# Altium PCB BACKPLANE_BOARD_LOW_POWER_V1.0.PcbDoc
Units mm, origin at the board's own origin, x right, y up, seen from the top; angles counter-clockwise.
Board outline 201.7 x 130 mm, 2 copper layers (Top Layer, Bottom Layer), stack 1.571 mm thick; 21 components, 110 nets, 590 pads, 2 vias.
Unrouted connection lines stored in the file: 1.
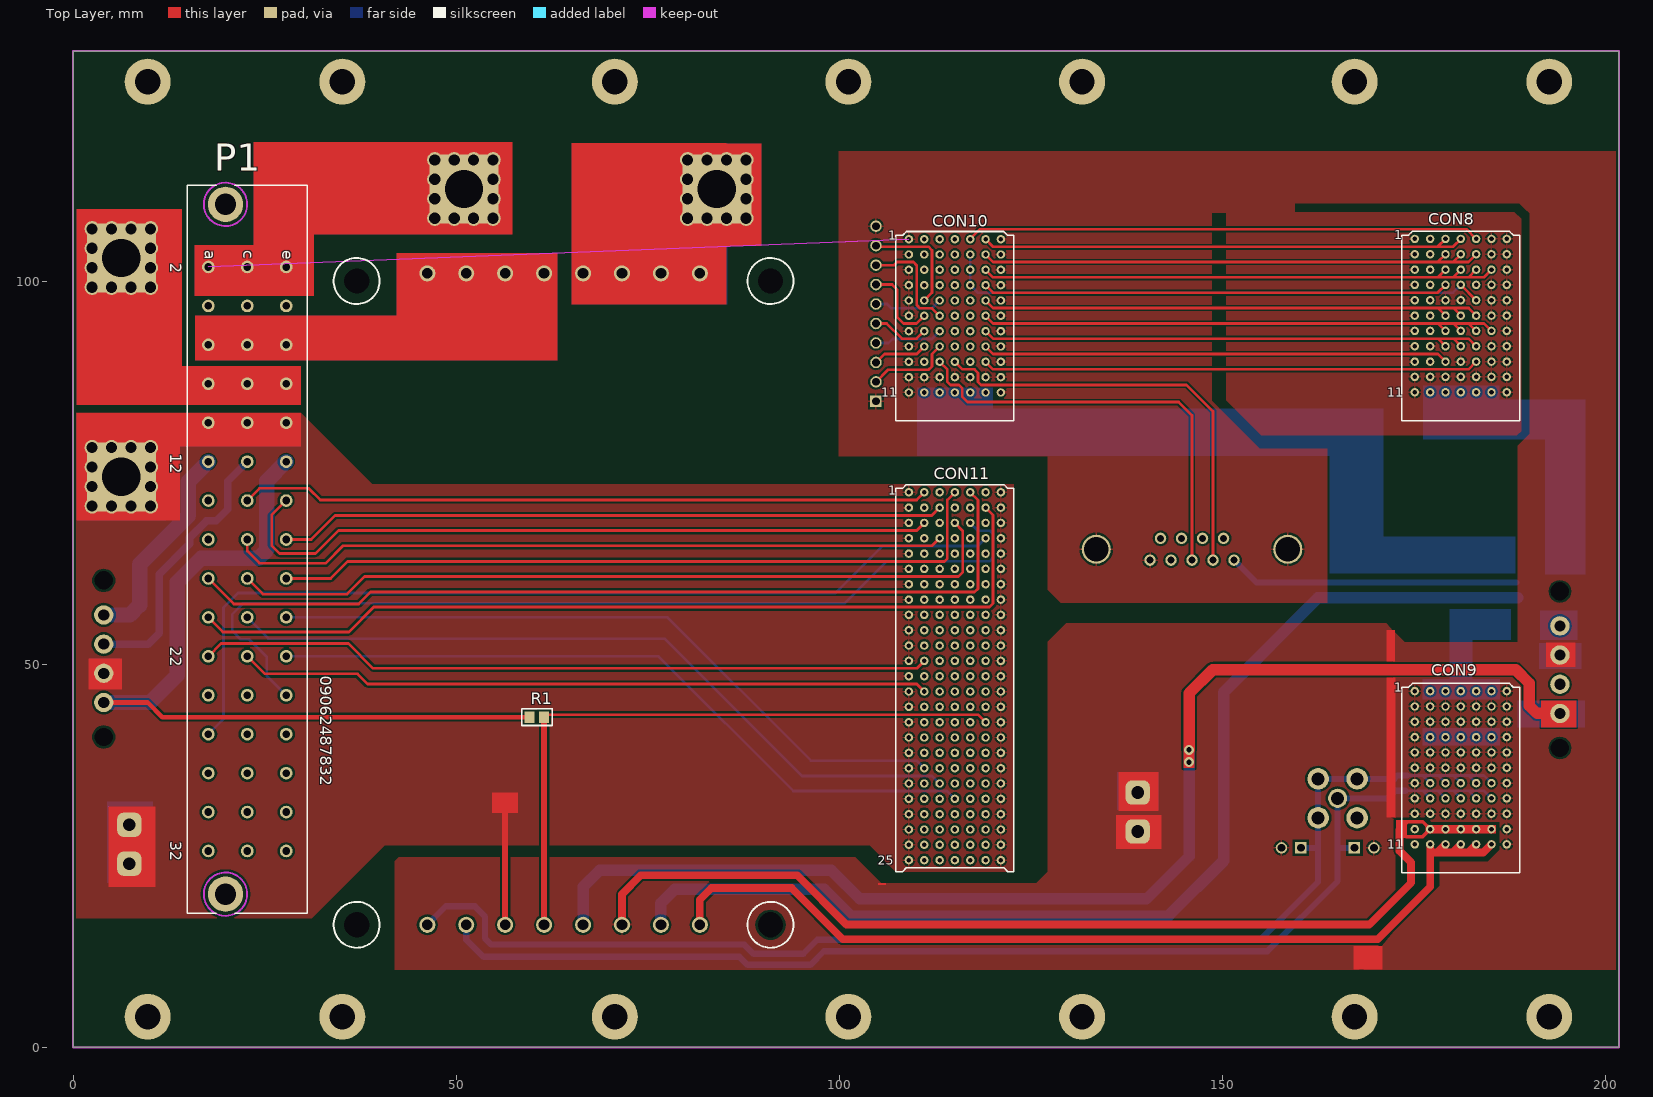
[diagram p0: Top Layer view]
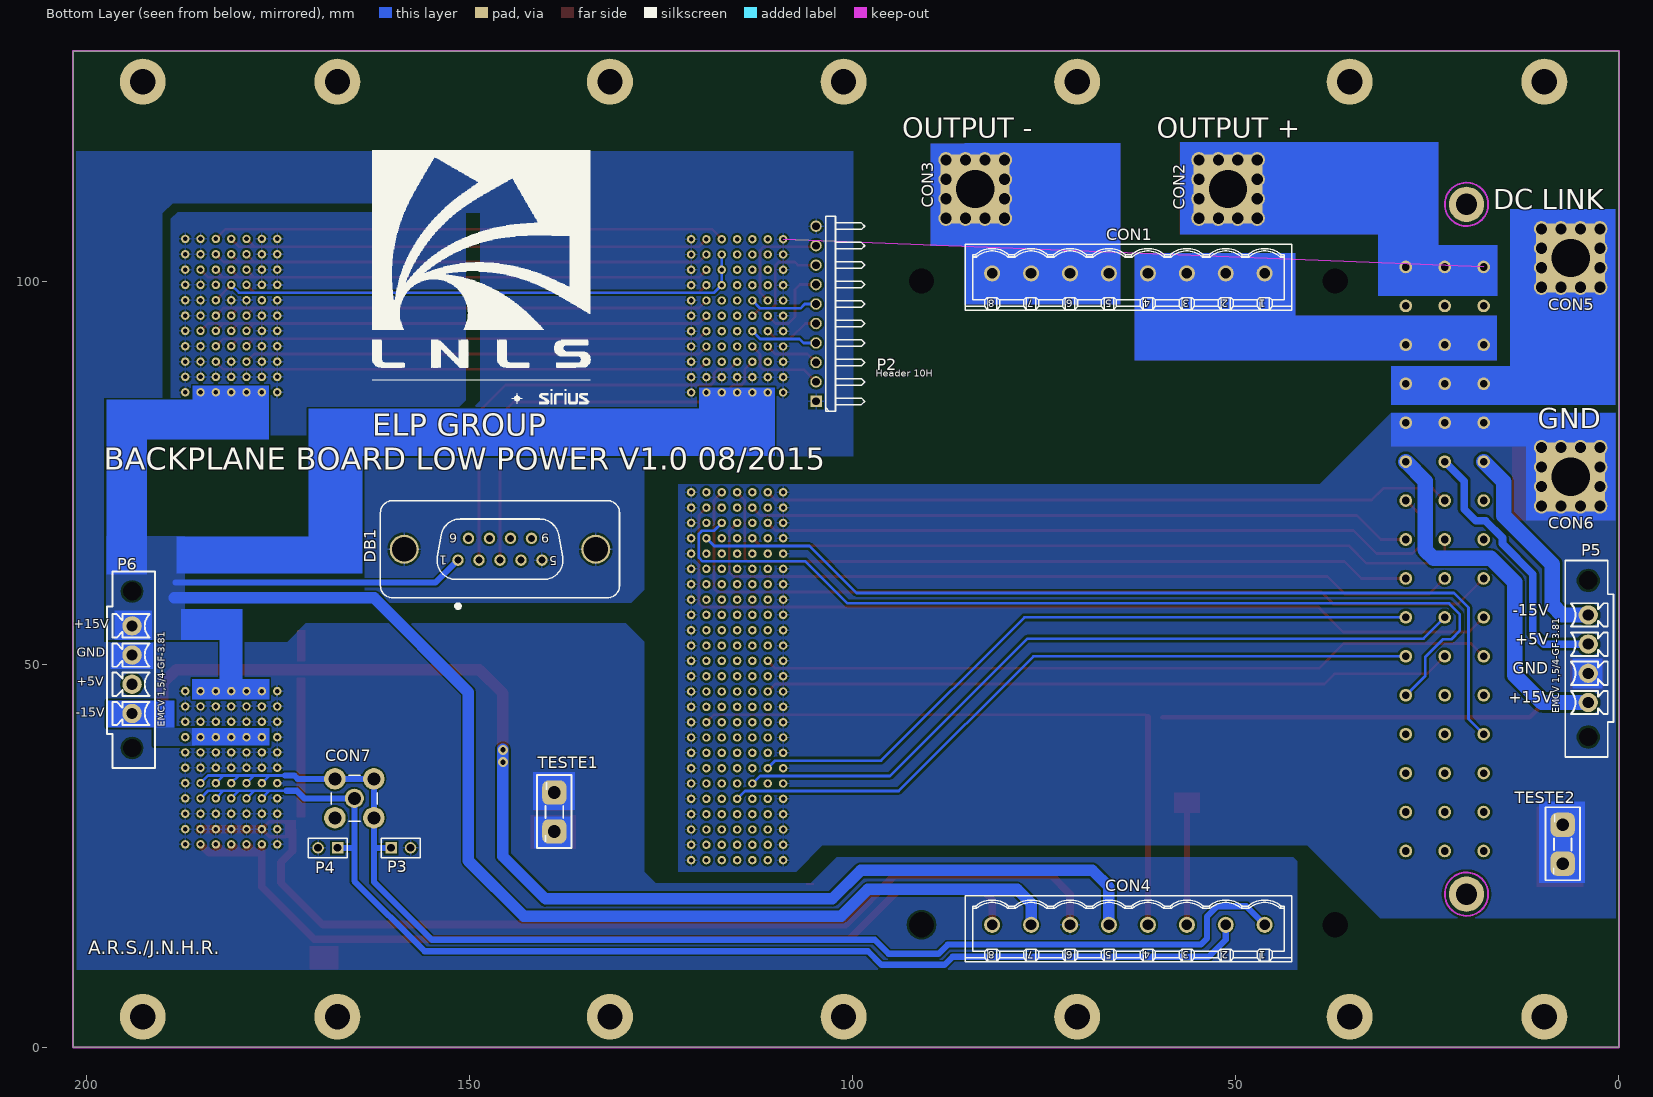
[diagram p1: Bottom Layer view, seen from below]
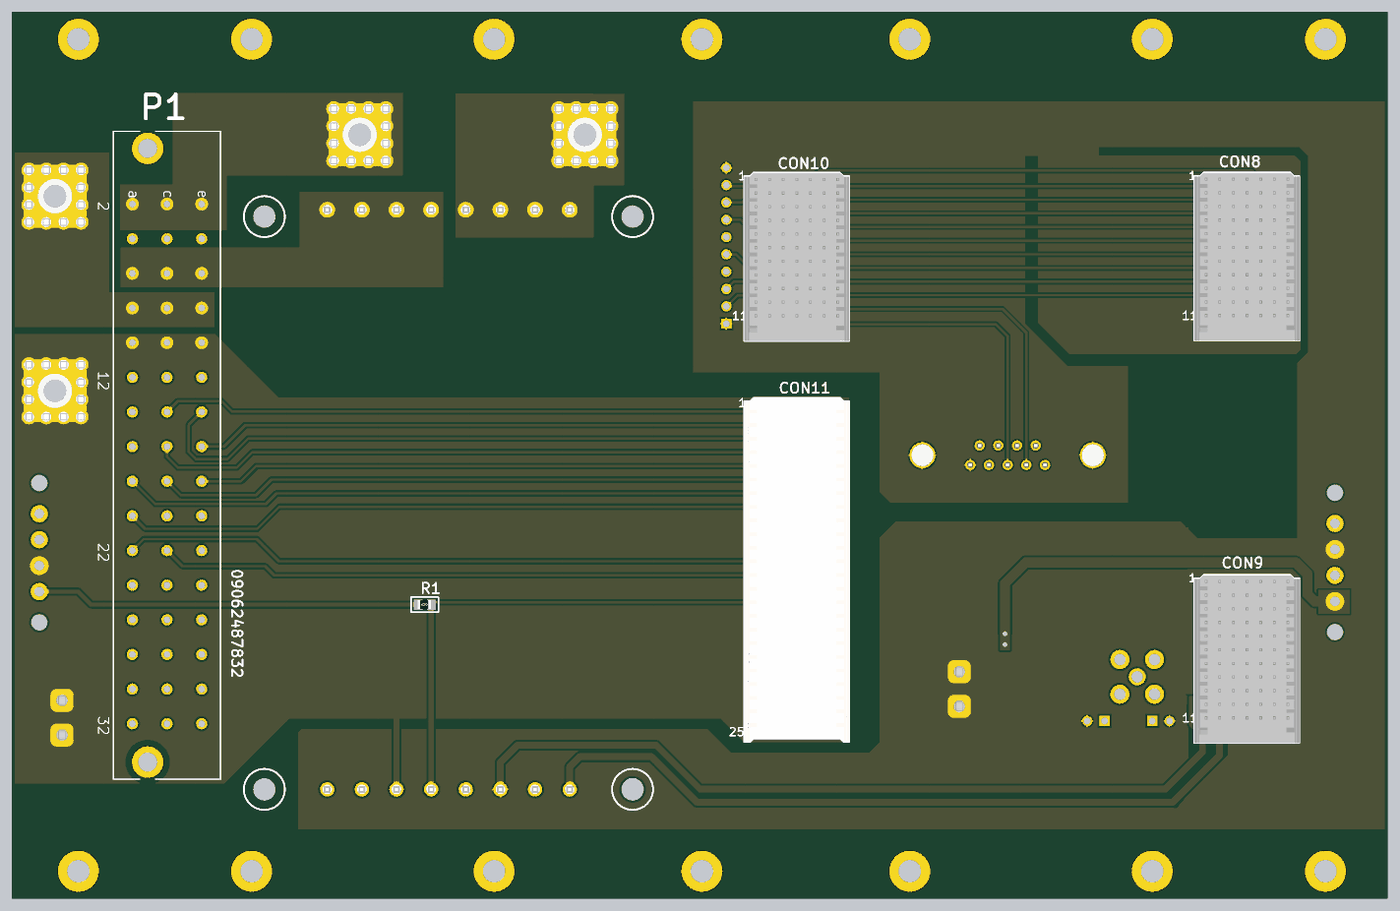
[diagram p2: 3D render of the assembled board from above, using the file's embedded part models]
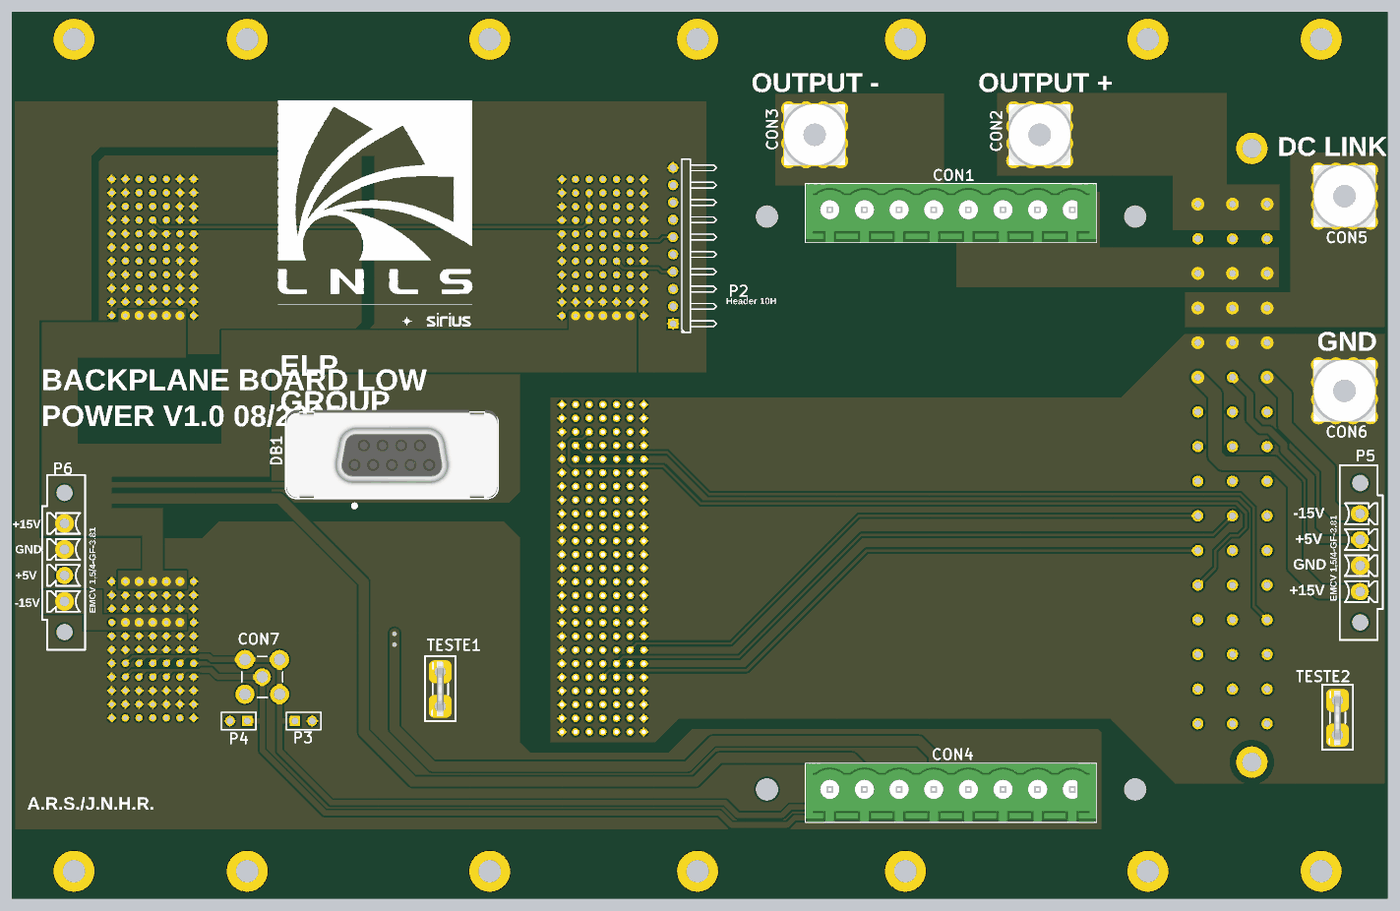
[diagram p3: 3D render of the assembled board from below, using the file's embedded part models]

## Layer stack, top to bottom
Top Layer: signal copper 0.0356
Dielectric: core 1.5, FR-4, Dk 4.8
Bottom Layer: signal copper 0.0356

## Board outline
0,0 0,130 201.7,130 201.7,0

## Design rules (kind name [scope] priority, off if disabled: settings)
Clearance [All] p1: gap=0.254
ComponentClearance [All] p1: gap=0 collisioncheckmode=3 verticalgap=0 showdistances=FALSE
Height [All] p1: minheight=0 maxheight=100 prefheight=12.7
PolygonConnect [All] p1: connectstyle=Relief reliefconductorwidth=0.254 reliefentries=4 polygonreliefangle="90 Angle" airgapwidth=0.254
RoutingCorners RoutingCorners_1 [(InNet('SPICLK') OR InNet('ADC_CNVST') OR InNet('SPISYNC') OR InNet('ADC_CNVST'))] p1: cornerstyle=Round minsetback=2.54 maxsetback=2.54
RoutingCorners [(OnLayer('Bottom Layer'))] p2: cornerstyle=Round minsetback=2.54 maxsetback=2.54
RoutingVias [All] p1: holewidth=0.711 width=1.27 viastyle="Through Hole" minholewidth=0.711 minwidth=1.27 maxholewidth=0.711 maxwidth=1.27
SilkToSolderMaskClearance SilkscreenOverComponentPads [IsPad] p1: minsilkscreentomaskgap=0.254 clearancetoexposedcopper=TRUE
SolderMaskExpansion [All] p1: expansion=0.102
Width [All] p1: maxlimit=5 minlimit=0.35 preferedwidth=0.354
24 further rules are at their usual default settings.

## Classes and differential pairs
component class BACKPLANE_BOARD_LOW_POWER_V1.0: * CON1 CON2 CON3 CON4 CON7 CON10 CON11 DB1 P1 P2 P3 P4 P5 P6 P17 R1
component class UDC_CONNECTOR: CON10 CON11
component class HRADC_Connectors_A: CON8 CON9

## Components (designator, comment, footprint, x,y, rotation, side; value= is the part's Value field where it differs from the comment)
CON1 "Family" PHOENIX_1755794 64,101 r0 bottom locked
CON2 "225688" 225688 51,112 r180 bottom
CON3 "225688" 225688 84,112 r180 bottom locked
CON4 "Family" PHOENIX_1755794 64,16 r0 bottom locked
CON5 "225688" 225688 6.3,103 r180 bottom locked
CON6 "225688" 225688 6.3,74.452 r180 bottom
CON7 "BNC" 919-109J-51PX 165,32.5 r180 bottom locked
CON8 "054546" ERNI_054546 187.07,105.488 r0 top locked
CON9 "054546" ERNI_054546 187.07,46.487 r0 top locked
CON10 "054546" ERNI_054546 121.059,105.458 r0 top locked
CON11 "ERNI 054392" ERNI_054392 121.059,72.433 r0 top locked
DB1 "D-Sub 9F" FCI_D09S24A4GV00LF 146,65 r0 bottom locked
P1 "09062487832" 0905248X851 22.729,65 r270 top locked
P2 "Header 10H" HDR1X10H 104.759,84.294 r90 bottom
P3 "Header 2" HDR1X2 160.21,26.033 r180 bottom
P4 "Header 2" HDR1X2 167.195,26.033 r0 bottom
P5 "EMCV 1,5/4-GF-3.81" "EMCV 1,5/4-GF-3.81" 4,45 r90 bottom locked
P6 "EMCV 1,5/4-GF-3.81" "EMCV 1,5/4-GF-3.81" 194,55 r270 bottom locked
R1 "2K5" "0805 res" 61.467,43.099 r180 top
TESTE1 "Comment" "TERM FASTON 6.3" 138.914,33.256 r180 bottom
TESTE2 "Comment" "TERM FASTON 6.3" 7.334,29.049 r180 bottom

## Footprints (in the part's own frame and the unit in brackets; to place one, negate y for a bottom-side part, rotate by r counter-clockwise, add the part's x,y. Pads: shape width x height; smd on the part's side, far side on the other; paste and mask are expansions set on the pad)
"0805 res" [mm]
  rect 1.3x1.5 smd: 1(1.9,0) 2(0,0)
  silkscreen extent -1.05,-1.1 2.95,1.1, body extent 0.02,-0.62 2.02,0.63, height 0.59
919-109J-51PX [mm] "Connector; RF Coaxial, MCX, Thru-Hole; 5 Position; Vertical"
  round 2.5 hole 1.7: 1(0,0)
  round 2.8 hole 1.7: 2(-2.54,-2.54) 3(2.54,-2.54) 4(2.54,2.54) 5(-2.54,2.54)
  silkscreen extent -3,-3 3,3
225688 [mm] "Terminals 12P M4 PRESSFIT VERT HP FML THRD"
  round 2 hole 1.45: 1(-3.81,-3.81) 1(-3.81,-1.27) 1(-3.81,1.27) 1(-3.81,3.81) 1(-1.27,-3.81) 1(-1.27,3.81) 1(1.27,-3.81) 1(1.27,3.81) 1(3.81,-3.81) 1(3.81,-1.27) 1(3.81,1.27) 1(3.81,3.81)
  rect 9x9 hole 5 unplated: 1(0,0)
  body extent -4.5,-4.5 4.5,4.5, height 6
0905248X851 [mm] "Connector; DIN 41612, Type E, Thru-Hole; Rows a+c+e, 48 Position; Vertical"
  round 4.6 hole 2.8: 33(-45,-2.84) 34(45,-2.84)
  round 1.65 hole 1: A2(-36.83,-5.08) A4(-31.75,-5.08) A6(-26.67,-5.08) A8(-21.59,-5.08) A10(-16.51,-5.08) A12(-11.43,-5.08) A14(-6.35,-5.08) A16(-1.27,-5.08) A18(3.81,-5.08) A20(8.89,-5.08) A22(13.97,-5.08) A24(19.05,-5.08) A26(24.13,-5.08) A28(29.21,-5.08) A30(34.29,-5.08) A32(39.37,-5.08) C2(-36.83,0) C4(-31.75,0) C6(-26.67,0) C8(-21.59,0) C10(-16.51,0) C12(-11.43,0) C14(-6.35,0) C16(-1.27,0) C18(3.81,0) C20(8.89,0) C22(13.97,0) C24(19.05,0) C26(24.13,0) C28(29.21,0) C30(34.29,0) C32(39.37,0) E2(-36.83,5.08) E4(-31.75,5.08) E6(-26.67,5.08) E8(-21.59,5.08) E10(-16.51,5.08) E12(-11.43,5.08) E14(-6.35,5.08) E16(-1.27,5.08) E18(3.81,5.08) E20(8.89,5.08) E22(13.97,5.08) E24(19.05,5.08) E26(24.13,5.08) E28(29.21,5.08) E30(34.29,5.08) E32(39.37,5.08)
  silkscreen extent -47.5,-7.85 47.5,7.85
"EMCV 1,5/4-GF-3.81" [mm] "CONECTOR PHOENIX  EMCV 1.5/4-GF-3.81 CODIGO 1879308"
  round 1.524 hole 2.4: 0(-4.5,0) 0(15.93,0)
  round 2.524 hole 1.45: 1(0,0) 2(3.81,0) 3(7.62,0) 4(11.43,0)
  silkscreen extent -7.11,-3.3 18.56,3
ERNI_054392 [mm] "Conector ERNI 175 vias MACHO"
  round 1.1 hole 0.6: a1(-10,0) a2(-10,-2) a3(-10,-4) a4(-10,-6) a5(-10,-8) a6(-10,-10) a7(-10,-12) a8(-10,-14) a9(-10,-16) a10(-10,-18) a11(-10,-20) a12(-10,-22) a13(-10,-24) a14(-10,-26) a15(-10,-28) a16(-10,-30) a17(-10,-32) a18(-10,-34) a19(-10,-36) a20(-10,-38) a21(-10,-40) a22(-10,-42) a23(-10,-44) a24(-10,-46) a25(-10,-48) b1(-8,0) b2(-8,-2) b3(-8,-4) b4(-8,-6) b5(-8,-8) b6(-8,-10) b7(-8,-12) b8(-8,-14) b9(-8,-16) b10(-8,-18) b11(-8,-20) b12(-8,-22) b13(-8,-24) b14(-8,-26) b15(-8,-28) b16(-8,-30) b17(-8,-32) b18(-8,-34) b19(-8,-36) b20(-8,-38) b21(-8,-40) b22(-8,-42) b23(-8,-44) b24(-8,-46) b25(-8,-48) c1(-6,0) c2(-6,-2) c3(-6,-4) c4(-6,-6) c5(-6,-8) c6(-6,-10) c7(-6,-12) c8(-6,-14) c9(-6,-16) c10(-6,-18) c11(-6,-20) c12(-6,-22) c13(-6,-24) c14(-6,-26) c15(-6,-28) c16(-6,-30) c17(-6,-32) c18(-6,-34) c19(-6,-36) c20(-6,-38) c21(-6,-40) c22(-6,-42) c23(-6,-44) c24(-6,-46) c25(-6,-48) d1(-4,0) d2(-4,-2) d3(-4,-4) d4(-4,-6) d5(-4,-8) d6(-4,-10) d7(-4,-12) d8(-4,-14) d9(-4,-16) d10(-4,-18) d11(-4,-20) d12(-4,-22) d13(-4,-24) d14(-4,-26) d15(-4,-28) d16(-4,-30) d17(-4,-32) d18(-4,-34) d19(-4,-36) d20(-4,-38) d21(-4,-40) d22(-4,-42) d23(-4,-44) d24(-4,-46) d25(-4,-48) e1(-2,0) e2(-2,-2) e3(-2,-4) e4(-2,-6) e5(-2,-8) e6(-2,-10) e7(-2,-12) e8(-2,-14) e9(-2,-16) e10(-2,-18) e11(-2,-20) e12(-2,-22) e13(-2,-24) e14(-2,-26) e15(-2,-28) e16(-2,-30) e17(-2,-32) e18(-2,-34) e19(-2,-36) e20(-2,-38) e21(-2,-40) e22(-2,-42) e23(-2,-44) e24(-2,-46) e25(-2,-48) f1(0,0) f2(0,-2) f3(0,-4) f4(0,-6) f5(0,-8) f6(0,-10) f7(0,-12) f8(0,-14) f9(0,-16) f10(0,-18) f11(0,-20) f12(0,-22) f13(0,-24) f14(0,-26) f15(0,-28) f16(0,-30) f17(0,-32) f18(0,-34) f19(0,-36) f20(0,-38) f21(0,-40) f22(0,-42) f23(0,-44) f24(0,-46) f25(0,-48) z1(-12,0) z2(-12,-2) z3(-12,-4) z4(-12,-6) z5(-12,-8) z6(-12,-10) z7(-12,-12) z8(-12,-14) z9(-12,-16) z10(-12,-18) z11(-12,-20) z12(-12,-22) z13(-12,-24) z14(-12,-26) z15(-12,-28) z16(-12,-30) z17(-12,-32) z18(-12,-34) z19(-12,-36) z20(-12,-38) z21(-12,-40) z22(-12,-42) z23(-12,-44) z24(-12,-46) z25(-12,-48)
  silkscreen extent -13.7,-49.5 1.7,1, body extent -13.67,-49.4 1.73,0.89, height 13.47
ERNI_054546 [mm] "Conector ERNI 77 vias MACHO"
  round 1.1 hole 0.6: a1(-10,0) a2(-10,-2) a3(-10,-4) a4(-10,-6) a5(-10,-8) a6(-10,-10) a7(-10,-12) a8(-10,-14) a9(-10,-16) a10(-10,-18) a11(-10,-20) b1(-8,0) b2(-8,-2) b3(-8,-4) b4(-8,-6) b5(-8,-8) b6(-8,-10) b7(-8,-12) b8(-8,-14) b9(-8,-16) b10(-8,-18) b11(-8,-20) c1(-6,0) c2(-6,-2) c3(-6,-4) c4(-6,-6) c5(-6,-8) c6(-6,-10) c7(-6,-12) c8(-6,-14) c9(-6,-16) c10(-6,-18) c11(-6,-20) d1(-4,0) d2(-4,-2) d3(-4,-4) d4(-4,-6) d5(-4,-8) d6(-4,-10) d7(-4,-12) d8(-4,-14) d9(-4,-16) d10(-4,-18) d11(-4,-20) e1(-2,0) e2(-2,-2) e3(-2,-4) e4(-2,-6) e5(-2,-8) e6(-2,-10) e7(-2,-12) e8(-2,-14) e9(-2,-16) e10(-2,-18) e11(-2,-20) f1(0,0) f2(0,-2) f3(0,-4) f4(0,-6) f5(0,-8) f6(0,-10) f7(0,-12) f8(0,-14) f9(0,-16) f10(0,-18) f11(0,-20) z1(-12,0) z2(-12,-2) z3(-12,-4) z4(-12,-6) z5(-12,-8) z6(-12,-10) z7(-12,-12) z8(-12,-14) z9(-12,-16) z10(-12,-18) z11(-12,-20)
  silkscreen extent -13.7,-23.7 1.7,1, body extent -13.67,-23.71 1.73,0.89, height 13.45
FCI_D09S24A4GV00LF [mm] "Straight D-SUB 9 Female Contacts for PCB  with Harpoons and Female Screwlock (UNC4-40) and Elec. Continuity"
  round 1.5 hole 0.9: 1(5.48,1.42) 2(2.74,1.42) 3(0,1.42) 4(-2.74,1.42) 5(-5.48,1.42) 6(4.11,-1.42) 7(1.37,-1.42) 8(-1.37,-1.42) 9(-4.11,-1.42)
  round 3.8 hole 3.2: 10(-12.495,0) 11(12.495,0)
  silkscreen extent -15.6,-6.35 15.6,7.67, body extent -15.49,-6.65 15.5,6.21, height 12.1
HDR1X2 [mm] "Connector; Header; 2 Position"
  rect 1.5x1.5 hole 1: 1(0,0)
  round 1.5 hole 1: 2(2.54,0)
  silkscreen extent -1.27,-1.27 3.81,1.27
HDR1X10H [mm] "Connector; Header; 10 Position; Right Angle"
  rect 1.5x1.5 hole 1: 1(0,0)
  round 1.5 hole 1: 2(2.54,0) 3(5.08,0) 4(7.62,0) 5(10.16,0) 6(12.7,0) 7(15.24,0) 8(17.78,0) 9(20.32,0) 10(22.86,0)
  silkscreen extent -1.27,-6.35 24.13,-1.27
PHOENIX_1755794 [mm] "PCB Header, 12A 250 V, Pitch: 2.54mm, 8 Positions, MSTBVA Serie"
  round 2.1 hole 1.4: 1(-17.78,0) 2(-12.7,0) 3(-7.62,0) 4(-2.54,0) 5(2.54,0) 6(7.62,0) 7(12.7,0) 8(17.78,0)
  silkscreen extent -21.32,-3.8 21.32,4.8, body extent -21.32,-3.8 21.32,4.8, height 12
"TERM FASTON 6.3" [mil]
  rrect50% 124x124 hole 66: 1(0,-200) 1(0,0)
  silkscreen extent -88,-285 89,90, body extent -19,-257 20,58, height 418

## Part data
CON1 CON4: library part PHOENIX_1755794, "Connector 8 Male"
CON2 CON3 CON5 CON6: "Terminals 12P M4 PRESSFIT VERT HP FML THRD"
CON7: "BNC Elbow Connector"
CON8 CON9 CON10: library part ERNI_054546, "ERNI Electronics 55P 2MM Pressfit VERT MALE BCKPLN"
CON11: library part ERNI_054392
DB1: library part FCI_D09S24A4GV00LF, "Connector D-sub 9 Female"
P1: library part "09 05 248 6851", "Eurocard DIN 41612, Type E, 48 Postion, Rows a+c+e, Performance level 2, Female, Lead 11.5 mm, Pitch 5.08 mm"
P2: "Header, 10-Pin, Right Angle"
P3 P4: "Header, 2-Pin"
P5 P6: library part "Header 4", "Header, 4-Pin"
R1: library part "Resistor 0805", "Resistor 1/4W"

## Free pads (board coordinates)
  round 6 hole 3.3 unplated: MEC(9.729,4) MEC(9.729,126) MEC(35.129,4) MEC(35.129,126) MEC(70.689,4) MEC(70.689,126) MEC(101.169,4) MEC(101.169,126) MEC(131.649,4) MEC(131.649,126) MEC(167.209,4) MEC(167.209,126) MEC(192.609,4) MEC(192.609,126)
  round 0 hole 3.3 unplated paste-5 mask-5: MEC(37,16) MEC(37,100) MEC(91,16) MEC(91,100)

## Via types
v1: diameter 1.27, hole 0.711, Top Layer to Bottom Layer, tented both sides, 2 vias

## Nets (pads, with @x,y where several pads share a name; then routed paths per layer and width w, separated by ;. In a path a pad name is that pad's centre, name@x,y a point inside that pad or via, vN(x,y) a via of type N, cw(c..) or ccw(c..) an arc to the next point about the centre after c; other vN are vias at no path point)
5V_HRADC: CON8.c4 CON8.d5 CON10.d2 CON10.d3 CON10.d4 | length 71.7
  Top Layer w0.354: CON8.c4 CON8.d5
  Bottom Layer w0.354: CON10.d2 CON10.d3 CON10.d4 118.04,98.477 180.06,98.477 CON8.c4
+5V: P6.3
+5V_POT: P1.C12 P5.3 | length 35.7
  Bottom Layer w1: P5.3 9.791,52.62 11.223,54.053 11.223,61.752 15.192,65.721 15.192,66.514 17.414,68.737 18.684,68.737 20.192,70.245 20.192,73.893 P1.C12
+15V: CON4.7 CON8.a11 CON8.b11 CON8.c11 CON8.d11 CON8.e11 CON9.a1 CON9.b1 CON9.c1 CON9.d1 CON9.e1 CON10.a11 CON10.b11 CON10.c11 CON10.d11 CON10.e11 DB1.1 P6.1 | length 184.9
  Bottom Layer w0.8: DB1.1 154.419,60.641 188.309,60.641
  Bottom Layer w1.5: CON4.7 76.7,18.803 78.533,20.636 97.98,20.636 101.472,17.143 142.906,17.143 150.129,24.366 150.129,46.353 162.432,58.656 188.467,58.656
+15V_POT: P1.E12 P5.1 R1.1 | length 105.5
  Top Layer w0.6: P5.1 9.719,45 11.62,43.099 R1.1
  Bottom Layer w2: P5.1 10.029,45 13.604,48.576 13.604,60.72 16.7,63.816 24.161,63.816 25.272,64.927 25.272,73.893 P1.E12
-15V: CON4.5 CON9.a4 CON9.b4 CON9.c4 CON9.d4 CON9.e4 P6.4 | length 163.9
  Top Layer w1.5: v1(145.605,38.813) 145.605,46.194 148.701,49.29 188.229,49.29 189.976,47.544 189.976,44.607 191.013,43.57 P6.4
  Bottom Layer w1.5: CON4.5 66.54,20.946 68.691,23.096 98.932,23.096 102.663,19.366 140.049,19.366 145.605,24.922 v1@145.605,38.892
  other v1: 145.605,37.225
-15V_POT: P1.A12 P5.4 | length 27.7
  Bottom Layer w2: P5.4 7.409,56.43 8.683,57.704 8.683,63.022 15.033,69.372 15.033,73.814 P1.A12
ANALAG_3: P1.A32
ANALAG_4: P1.E26
ANALAG_5: P1.C30
ANALAG_6: P1.A30
ANALAG_7: P1.C32
ANI3: CON11.a21
ANI4: CON11.b22
ANI5: CON11.c23
ANI6: CON11.a23
ANI7: CON11.b24
BP_I2C_SCL_5V: CON10.b9 DB1.3 | length 56.3
  Top Layer w0.35: CON10.b9 114.08,88.437 114.08,86.848 114.49,86.438 115.601,86.438 116.038,86.001 116.038,84.889 116.712,84.215 144.256,84.215 146,82.471 DB1.3
BP_I2C_SCL_ISO: CON11.a14 P1.C22 | length 90.2
  Top Layer w0.35: P1.C22 25.025,48.734 37.099,48.734 38.422,47.412 110.08,47.412 CON11.a14
BP_I2C_SDA_5V: CON10.c9 DB1.2 | length 56.5
  Top Layer w0.35: CON10.c9 116.038,88.479 117.608,88.479 118.08,88.007 118.08,86.816 118.459,86.438 145.287,86.438 148.74,82.985 DB1.2
BP_I2C_SDA_ISO: CON11.a12 P1.A22 | length 95.9
  Top Layer w0.35: P1.A22 19.322,52.703 35.909,52.703 39.158,49.454 110.08,49.454 CON11.a12
CAN_RX_5V: CON10.c1
CAN_TX_5V: CON10.c2
DC_LINK: CON11.a19 P1.E20 | length 91.4
  Bottom Layer w0.35: P1.E20 77.587,56.11 96.285,37.412 110.08,37.412 CON11.a19
DCCT_ITLK: CON4.4 CON11.e16 R1.2 | length 85.2
  Top Layer w0.354: R1.2 61.785,43.416 118.076,43.416 CON11.e16
  Top Layer w0.8: CON4.4 R1.2@61.46,43.099
E_PWM_1A: CON11.a1 P1.C14 | length 90
  Top Layer w0.35: P1.C14 24.323,72.944 30.749,72.944 32.257,71.436 110.062,71.436 CON11.a1
E_PWM_1B: CON11.a3 P1.E14 | length 93.9
  Top Layer w0.35: P1.E14 25.907,69.448 25.907,65.483 26.939,64.451 31.622,64.451 34.626,67.454 110.08,67.454 CON11.a3
E_PWM_2A: CON11.b2 P1.E16 | length 87
  Top Layer w0.35: P1.E16 31.061,66.27 34.203,69.412 112.038,69.412 CON11.b2
E_PWM_2B: CON11.b4 P1.C16 | length 93.8
  Top Layer w0.35: P1.C16 22.729,64.772 24.32,63.181 32.972,63.181 35.245,65.454 112.08,65.454 CON11.b4
E_PWM_3A: CON11.a5
E_PWM_3B: CON11.a7
E_PWM_4A: CON11.b6
E_PWM_4B: CON11.b8
EPWMSYNCI_5V: CON10.c3
EPWMSYNCO_5V: CON10.c4
GND: CON4.6 CON8.a1 CON8.a2 CON8.a3 CON8.a4 CON8.a6 CON8.a7 CON8.a8 CON8.a9 CON8.a10 CON8.b5 CON8.b10 CON8.c5 CON8.c9 CON8.c10 CON8.d10 CON8.e1 CON8.e2 CON8.e4 CON8.e5 CON8.e6 CON8.e8 CON8.e9 CON8.e10 CON8.f1 CON8.f2 CON8.f3 CON8.f4 CON8.f5 CON8.f6 CON8.f7 CON8.f8 CON8.f9 CON8.f10 CON8.f11 CON8.z1 CON8.z2 CON8.z3 CON8.z4 CON8.z5 CON8.z6 CON8.z7 CON8.z8 CON8.z9 CON8.z10 CON8.z11 CON9.a2 CON9.a3 CON9.a5 CON9.a6 CON9.a9 CON9.a10 CON9.b2 CON9.b3 CON9.b5 CON9.b6 CON9.b9 CON9.b10 CON9.c2 CON9.c3 CON9.c5 CON9.c6 CON9.c9 CON9.c10 CON9.d2 CON9.d3 CON9.d5 CON9.d6 CON9.d9 CON9.d10 CON9.e2 CON9.e3 CON9.e5 CON9.e6 CON9.e9 CON9.e10 CON9.f1 CON9.f2 CON9.f3 CON9.f4 CON9.f5 CON9.f6 CON9.f7 CON9.f8 CON9.f9 CON9.f10 CON9.f11 CON9.z1 CON9.z2 CON9.z3 CON9.z4 CON9.z5 CON9.z6 CON9.z7 CON9.z8 CON9.z9 CON9.z10 CON9.z11 CON10.a10 CON10.b10 CON10.c10 CON10.d10 CON10.e10 CON10.f1 CON10.f2 CON10.f3 CON10.f4 CON10.f5 CON10.f6 CON10.f7 CON10.f8 CON10.f9 CON10.f10 CON10.f11 CON10.z1 CON10.z2 CON10.z3 CON10.z4 CON10.z5 CON10.z6 CON10.z7 CON10.z8 CON10.z9 CON10.z10 CON10.z11 DB1.5 DB1.10 DB1.11 P2.1 P2.10 P3.2 P4.2 P6.2 TESTE1.1 | length 130.1
  Top Layer w0.5: 173.069,28.414 174.101,29.446 176.111,29.446 CON9.a10 176.067,27.483 174,27.483 173.069,28.414
  Top Layer w1: CON4.6 71.62,19.993 74.088,22.461 94.487,22.461 100.917,16.032 169.1,16.032 174.577,21.509 174.577,24.128 173.069,25.636 173.069,28.414
GND_POT: CON4.3 CON6.1 CON11.f1 CON11.f2 CON11.f3 CON11.f4 CON11.f5 CON11.f6 CON11.f7 CON11.f8 CON11.f9 CON11.f10 CON11.f11 CON11.f12 CON11.f13 CON11.f14 CON11.f15 CON11.f16 CON11.f17 CON11.f18 CON11.f19 CON11.f20 CON11.f21 CON11.f22 CON11.f23 CON11.f24 CON11.f25 CON11.z1 CON11.z2 CON11.z3 CON11.z4 CON11.z5 CON11.z6 CON11.z7 CON11.z8 CON11.z9 CON11.z10 CON11.z11 CON11.z12 CON11.z13 CON11.z14 CON11.z15 CON11.z16 CON11.z17 CON11.z18 CON11.z19 CON11.z20 CON11.z21 CON11.z22 CON11.z23 CON11.z24 CON11.z25 P1.A10 P1.C10 P1.E10 P5.2 TESTE2.1 | length 15.7
  Top Layer w0.8: CON4.3 56.38,31.676
GPDI5_ISO: CON11.d5
GPDI6_ISO: CON11.e6
GPDI7_ISO: CON11.d7
GPDI8_ISO: CON11.e8
GPDI9_ISO: CON11.d9
GPDI10_ISO: CON11.e10
GPDI11_ISO: CON11.d11
GPDI12_ISO: CON11.e12
GPDI13_ISO: CON11.d13
GPDI14_ISO: CON11.e14
GPDI15_ISO: CON11.d15
GPDO3_ISO: CON11.c5
GPDO4_ISO: CON11.c7
GPIO_CONFIG_5V: CON8.b9 CON10.e8 | length 60.8
  Top Layer w0.365: CON10.e8 120.043,90.474 120.648,90.474 120.65,90.471 174.659,90.471 174.662,90.474 175.479,90.474 178.084,90.474 CON8.b9
GPIO_CS1_5V: CON8.b7 CON8.c7 CON8.d7 CON8.e7 CON10.e6 | length 71
  Top Layer w0.35: CON10.e6 120.05,94.467 178.091,94.467 ; CON8.b7 178.091,94.467 ; CON8.c7 180.091,94.467 ; CON8.d7 182.092,94.467 ; CON8.e7 184.091,94.467 182.092,94.467 ; 178.091,94.467 180.091,94.467 ; 180.091,94.467 182.092,94.467
GPIO_CS2_5V: CON8.b8 CON8.c8 CON8.d8 CON10.e7 | length 67.6
  Top Layer w0.35: CON10.e7 120.047,92.47 178.088,92.47 ; CON8.b8 178.088,92.47 ; CON8.c8 180.088,92.47 ; CON8.d8 182.088,92.47 180.088,92.47 ; 178.088,92.47 180.088,92.47
HRADC_BUSY_OUT: CON8.b4 CON10.e4 | length 60.8
  Top Layer w0.35: CON10.e4 120.038,98.479 178.062,98.479 CON8.b4
HRADC_CNVST: CON8.b6 CON8.c6 CON8.d6 CON10.e5 | length 67.6
  Top Layer w0.35: CON10.e5 120.05,96.467 178.091,96.467 ; CON8.b6 178.091,96.467 ; CON8.c6 180.091,96.467 ; CON8.d6 182.092,96.467 180.091,96.467 ; 178.091,96.467 180.091,96.467
HRADC_DIG_ENABLE: CON8.d9 CON10.e9 | length 64.8
  Top Layer w0.35: CON10.e9 120.038,88.479 182.062,88.479 CON8.d9
HRADC_DSYCH_OUT_A: CON8.a5
HRADC_IIN_P_A: CON4.8 CON9.a11 CON9.b11 CON9.c11 CON9.d11 CON9.e11 | length 123.2
  Top Layer w1: CON4.8 81.78,19.279 83.296,20.794 93.773,20.794 100.441,14.127 170.211,14.127 177.071,20.986 CON9.a11 ; 177.071,25.431 178.015,25.431 ; CON9.b11 178.015,25.431 ; CON9.c11 180.015,25.431 ; CON9.d11 182.015,25.431 ; CON9.e11 184.015,25.431 182.015,25.431 ; 178.015,25.431 180.015,25.431 ; 180.015,25.431 182.015,25.431
HRADC_SPI_CLK: CON8.b1 CON8.c1 CON10.e1 | length 64.3
  Top Layer w0.35: CON10.e1 120.061,104.456 174.654,104.456 174.665,104.467 178.05,104.467 ; CON8.b1 178.05,104.467 ; CON8.c1 180.05,104.467 178.05,104.467
HRADC_SPI_IN: CON8.b3 CON8.c3 CON8.d3 CON8.e3 CON10.e3 | length 71.1
  Top Layer w0.35: CON10.e3 120.038,100.479 178.062,100.479 ; CON8.b3 178.062,100.479 ; CON8.c3 180.062,100.479 ; CON8.d3 182.062,100.479 ; CON8.e3 184.062,100.479 182.062,100.479 ; 178.062,100.479 180.062,100.479 ; 180.062,100.479 182.062,100.479
HRADC_SPI_OUT: CON8.b2 CON8.c2 CON8.d2 CON10.e2 | length 67.7
  Top Layer w0.35: CON10.e2 120.046,102.471 178.054,102.471 ; CON8.b2 178.054,102.471 ; CON8.c2 180.054,102.471 ; CON8.d2 182.054,102.471 180.054,102.471 ; 178.054,102.471 180.054,102.471
HRADC_STATUS_A: CON8.d1 CON10.d1 | length 67.1
  Top Layer w0.35: CON10.d1 118.359,106.758 181.801,106.758 CON8.d1
HRADC_SYNC: CON8.d4
HRADC_VIN_N_A: CON4.1 CON7.2 CON7.3 CON7.4 CON7.5 CON9.a7 CON9.b7 CON9.c7 CON9.d7 CON9.e7 P3.1 | length 169.8
  Bottom Layer w0.35: 174.021,35.479 178.079,35.479 ; 176.085,35.473 CON9.a7 ; CON9.b7 178.079,35.479 ; CON9.c7 180.079,35.479 ; CON9.d7 182.079,35.479 ; CON9.e7 184.079,35.479 182.079,35.479 ; 178.079,35.479 180.079,35.479 ; 180.079,35.479 182.079,35.479
  Bottom Layer w0.8: CON4.1 48.633,18.413 52.419,18.413 53.768,17.064 53.768,14.206 54.562,13.413 87.582,13.413 88.772,12.222 95.281,12.222 97.107,14.048 154.892,14.048 162.46,21.616 162.46,26.033 ; P3.1 162.46,26.033 ; 174.021,35.479 172.831,35.479 172.392,35.04 CON7.5 CON7.4 CON7.3 162.46,26.033
HRADC_VIN_P_A: CON4.2 CON7.1 CON9.a8 CON9.b8 CON9.c8 CON9.d8 CON9.e8 P4.1 | length 161.1
  Bottom Layer w0.35: 173.862,33.494 176.085,33.494 ; CON9.a8@177.071,32.509 176.085,33.494 ; 178.074,33.483 CON9.b8 ; CON9.c8 180.063,33.494 ; CON9.d8 182.063,33.494 ; CON9.e8 184.063,33.494 182.063,33.494 ; 176.085,33.494 180.063,33.494 ; 180.063,33.494 182.063,33.494
  Bottom Layer w0.4: CON9.a8 CON9.a8@177.071,32.509
  Bottom Layer w0.8: CON4.2 51.3,14.055 53.53,11.825 86.947,11.825 87.979,10.793 96.234,10.793 97.98,12.539 155.844,12.539 165,21.695 165,26.033 ; P4.1 165,26.033 ; 173.862,33.494 172.513,33.494 171.519,32.5 CON7.1 165,26.033
INT_ARM_5V: CON10.d7
INT_C28_5V: CON10.d9
INT_GENERAL_5V: CON10.c5
LIGA_POTENCIA: CON11.c3 P1.C18 | length 102.2
  Top Layer w0.35: P1.C18 24.786,59.133 35.75,59.133 38.052,61.434 115.522,61.434 116.077,61.99 116.077,67.415 CON11.c3
LIGA_RELE_SAIDA: CON11.c1 P1.E18 | length 96.4
  Top Layer w0.35: P1.E18 33.601,61.19 35.823,63.412 113.69,63.412 114.08,63.802 114.08,68.014 114.08,71.454 CON11.c1
POWER_DC_LINK: CON5.1 P1.A8 P1.C8 P1.E8
PWM1AF: CON10.b8 P2.2 | length 11.2
  Top Layer w0.35: P2.2 106.361,88.437 111.648,88.437 112.08,88.869 112.08,90.479 CON10.b8
PWM1BF: CON10.a8 P2.3 | length 7.2
  Top Layer w0.35: P2.3 105.863,90.479 110.08,90.479 CON10.a8
PWM2AF: CON10.b7 P2.4 | length 8.9
  Bottom Layer w0.35: P2.4 106.394,91.914 106.916,92.437 112.038,92.437 CON10.b7
PWM2BF: CON10.a7 P2.5 | length 7.5
  Top Layer w0.35: P2.5 106.156,94.454 108.14,92.47 110.071,92.47 CON10.a7
PWM3AF: CON10.b5 P2.6 | length 9
  Bottom Layer w0.35: P2.6 106.235,96.994 106.792,96.437 112.038,96.437 CON10.b5
PWM3BF: CON10.a6 P2.7 | length 10.9
  Top Layer w0.35: P2.7 106.87,99.534 107.505,98.899 107.505,95.328 108.378,94.454 110.055,94.454 CON10.a6
PWM4AF: CON10.b6 P2.8 | length 14.4
  Top Layer w0.35: P2.8 107.108,102.074 107.505,102.471 109.648,102.471 110.08,102.039 110.08,96.88 110.521,96.439 112.078,96.439 CON10.b6
PWM4BF: CON10.a5 P2.9 | length 14.5
  Top Layer w0.35: P2.9 104.894,104.479 111.609,104.479 112.08,104.008 112.08,98.479 CON10.a5
PWM_OF9: CON10.b4
PWM_OF10: CON10.a4
PWM_OF11: CON10.b3
PWM_OF12: CON10.a3
PWM_OF13: CON10.b2
PWM_OF14: CON10.b1
PWM_OF15: CON10.a2
PWM_OF16: CON10.a1
RESERVA1: P1.E28
RESERVA2: P1.C24
RESERVA3: P1.A24
RESERVA4: P1.E30
RESERVA5: P1.C26
RESERVA6: P1.A28
RESERVA7: P1.E32
RESERVA8: P1.C28
"SAIDA  NEGATIVA": CON1.1 CON1.2 CON1.3 CON1.4 P1.A6 P1.C6 P1.E6
"SAIDA  POSITIVA": CON2.1 P1.A2 P1.C2 P1.E2
SCI_RD_5V: CON10.c8
SCIRXDA_5V: CON10.c7
SCITXDA_5V: CON10.c6
"ST_DC LINK LIGADO": CON11.e4 P1.A26 | length 120.5
  Bottom Layer w0.35: P1.A26 19.637,42.858 19.637,57.386 21.542,59.291 99.488,59.291 105.609,65.412 118.038,65.412 CON11.e4
ST_FUSIVEL: CON11.e2 P1.A20 | length 117.6
  Top Layer w0.35: P1.A20 19.548,54.211 35.988,54.211 39.231,57.454 119.558,57.454 120.038,57.934 120.038,69.454 CON11.e2
"ST_SAIDA LIGADA": CON11.d3 P1.E24 | length 123.2
  Bottom Layer w0.35: P1.E24 25.272,48.486 25.272,50.957 22.971,53.259 21.859,53.259 20.748,54.37 20.748,56.513 22.177,57.942 100.679,57.942 106.156,63.419 119.57,63.419 120.046,63.895 120.046,66.991 119.625,67.412 118.08,67.412 CON11.d3
ST_SOB_CORR: CON11.d1 P1.A18 | length 115.6
  Top Layer w0.35: P1.A18 20.976,57.863 37.258,57.863 38.808,59.412 117.627,59.412 118.062,59.847 118.062,71.43 CON11.d1
TEMPERATURA: CON11.b20 P1.C20 | length 99.3
  Bottom Layer w0.35: P1.C20 25.501,53.338 77.184,53.338 95.11,35.412 112.08,35.412 CON11.b20
TENSAO_CARGA: CON11.c21 P1.E22 | length 95
  Bottom Layer w0.35: P1.E22 76.396,51.03 93.972,33.454 114.038,33.454 CON11.c21
UART_M3_RD_5V: CON10.d5
UART_M3_RX_5V: CON10.d6
UART_M3_TX_5V: CON10.d8
"VOLTA CARGA": CON1.5 CON1.6 CON1.7 CON1.8 CON3.1
pads on no net: CON10.a9 CON11.a2 CON11.a4 CON11.a6 CON11.a8 CON11.a9 CON11.a10 CON11.a11 CON11.a13 CON11.a15 CON11.a16 CON11.a17 CON11.a18 CON11.a20 CON11.a22 CON11.a24 CON11.a25 CON11.b1 CON11.b3 CON11.b5 CON11.b7 CON11.b9 CON11.b10 CON11.b11 CON11.b12 CON11.b13 CON11.b14 CON11.b15 CON11.b16 CON11.b17 CON11.b18 CON11.b19 CON11.b21 CON11.b23 CON11.b25 CON11.c2 CON11.c4 CON11.c6 CON11.c8 CON11.c9 CON11.c10 CON11.c11 CON11.c12 CON11.c13 CON11.c14 CON11.c15 CON11.c16 CON11.c17 CON11.c18 CON11.c19 CON11.c20 CON11.c22 CON11.c24 CON11.c25 CON11.d2 CON11.d4 CON11.d6 CON11.d8 CON11.d10 CON11.d12 CON11.d14 CON11.d16 CON11.d17 CON11.d18 CON11.d19 CON11.d20 CON11.d21 CON11.d22 CON11.d23 CON11.d24 CON11.d25 CON11.e1 CON11.e3 CON11.e5 CON11.e7 CON11.e9 CON11.e11 CON11.e13 CON11.e15 CON11.e17 CON11.e18 CON11.e19 CON11.e20 CON11.e21 CON11.e22 CON11.e23 CON11.e24 CON11.e25 DB1.4 DB1.6 DB1.7 DB1.8 DB1.9 P1.33 P1.34 P1.A4 P1.A14 P1.A16 P1.C4 P1.E4 P5.0 P6.0

## Polygon pours and split planes (outlines as drawn)
GND on Bottom Layer "Mechanical 14-No Net" (solid, remove dead copper, pour order 15): 99.885,116.918 109.727,116.918 201.7,116.918 201.7,51.853 201.723,51.83 201.564,51.989 197.675,51.989 197.675,84.771 194.579,84.771 190.055,84.771 190.055,88.184 190.055,108.821 188.706,110.171 187.753,110.171 159.416,110.171 159.416,108.98 169.735,108.98 188.071,108.98 188.944,108.107 188.944,102.868 188.944,80.564 188.229,79.849 175.926,79.849 163.702,79.849 163.623,79.77 163.623,58.021 157.511,58.021 128.857,58.021 127.19,59.688 127.19,63.578 127.19,77.071 127.19,78.738 127.19,77.151 99.885,77.151
+15V on Bottom Layer "Mechanical 14-No Net" (solid, remove dead copper, pour order 10): 191.404,53.179 197.357,53.179 197.357,61.465 197.357,66.673 187.118,66.673 187.118,53.534 187.118,53.179
-15V on Bottom Layer "Mechanical 14-No Net" (solid, remove dead copper, pour order 11): 185.848,39.368 191.166,39.368 191.166,42.623 188.467,42.623 188.467,41.655 185.848,41.655
GND_POT on Bottom Layer "Mechanical 14-No Net" (solid, remove dead copper, pour order 12): -0.128,16.826 31.146,16.826 38.528,24.208 40.671,26.351 100.917,26.351 103.933,26.351 107.346,22.938 122.745,22.938 122.745,25.398 122.745,73.499 121.554,73.499 39.004,73.499 29.717,82.786 21.542,82.786 -0.128,82.786
GND on Bottom Layer "Mechanical 14-No Net" (solid, remove dead copper, pour order 17): 41.941,10.158 41.941,24.287 42.497,24.843 102.028,24.843 105.441,21.429 111.315,21.429 125.682,21.429 127.19,22.938 127.19,52.941 129.571,55.323 171.322,55.323 173.783,52.862 201.247,52.862 201.247,10.158
GND_POT on Top Layer "Mechanical 14-No Net" (solid, remove dead copper, pour order 13): 0,82.786 0,16.826 31.146,16.826 40.671,26.351 44.005,26.351 103.933,26.351 107.346,22.938 108.934,22.938 122.745,22.938 122.745,29.764 122.745,73.499 105.124,73.499 39.004,73.499 31.226,81.278 29.717,82.786 28.924,82.786 0,82.786
GND on Top Layer "Mechanical 14-No Net" (solid, remove dead copper, pour order 14): 41.941,24.287 42.497,24.843 101.234,24.843 102.028,24.843 105.6,21.271 105.759,21.429 124.888,21.429 125.682,21.429 127.19,22.938 127.19,52.386 127.19,52.941 128.936,54.688 129.571,55.323 170.926,55.323 171.322,55.323 172.275,54.37 172.513,54.132 172.513,15.159 172.513,13.889 170.529,11.904 168.782,10.158 41.941,10.158
GND on Top Layer "Mechanical 14-No Net" (solid, remove dead copper, pour order 16): 168.227,10.158 201.7,10.158 201.7,52.862 173.783,52.862 172.275,54.37 172.275,39.924 172.275,30.213 172.513,29.974 172.541,30.002 176.482,30.002 176.641,30.002 177.196,29.446 185.769,29.446 186.166,29.446 186.166,25.795 184.578,24.208 178.307,24.208 178.307,21.082 172.347,15.122
GND on Top Layer "Mechanical 14-No Net" (solid, remove dead copper, pour order 18): 99.885,116.918 107.267,116.918 201.7,116.918 201.7,52.148 199.104,52.148 188.467,52.148 188.467,77.786 188.467,78.5 190.055,80.088 190.055,95.724 190.055,108.821 189.42,109.456 188.706,110.171 159.416,110.171 159.416,108.98 173.466,108.98 188.071,108.98 188.944,108.107 188.944,98.741 188.944,80.405 188.388,79.849 174.894,79.849 155.051,79.849 151.876,83.024 150.447,84.453 150.447,108.901 148.542,108.901 148.542,84.374 153.781,79.135 154.812,78.103 163.623,78.103 163.623,62.466 163.623,58.021 128.857,58.021 127.19,59.688 127.19,77.151 103.219,77.151 99.885,77.151

## Keep-outs
Keep-Out Layer:
  circle w0.254: c19.889,110 r2.831
  circle w0.254: c19.889,20 r2.831
  lines w0.2: 17.649,101.83 109.059,105.458
  lines w0.254: 0,0 0,130 201.7,130 201.7,0 0,0

## Other copper
Top Layer:
  rectangle net GND: 172.592,27.303 174.021,29.684
  rectangle net GND_POT: 0.428,68.737 13.922,79.135
  rectangle net GND_POT: 0.428,78.421 29.717,82.786
  rectangle net POWER_DC_LINK: 0.428,83.818 29.717,88.898
  rectangle net POWER_DC_LINK: 0.428,87.469 14.239,109.377
  rectangle net "VOLTA CARGA": 84.566,104.535 89.804,117.949
  rectangle net "VOLTA CARGA": 65.039,96.915 85.28,118.029
  rectangle net "SAIDA  POSITIVA": 23.526,104.535 31.464,106.519
  rectangle net "SAIDA  POSITIVA": 15.827,98.026 31.464,104.694
  rectangle net "SAIDA  POSITIVA": 23.526,106.043 57.34,118.108
  rectangle net "SAIDA  NEGATIVA": 42.179,94.454 63.214,103.662
  rectangle net "SAIDA  NEGATIVA": 15.906,89.613 63.214,95.486
  rectangle net GND: 176.482,27.938 185.689,29.049
  rectangle net -15V: 191.563,41.749 196.167,45.242
  rectangle net -15V: 144.891,36.431 146.319,40.797
  rectangle net GND_POT: 54.641,30.558 58.054,33.256
  rectangle net GND_POT: 2.016,46.671 6.381,50.719
  rectangle net GND: 105.044,21.191 106.076,21.429
  rectangle net GND: 192.198,49.608 196.008,52.862
  rectangle net GND_POT: 4.635,20.953 10.747,31.431
  rectangle net GND: 167.036,10.158 170.846,13.254
  rectangle net GND: 171.402,30.002 172.541,48.258
  rectangle net GND: 171.402,50.322 172.513,54.449
  rectangle net GND: 136.397,30.875 141.636,35.955
  rectangle net GND: 136.08,25.874 142.033,30.319
Bottom Layer:
  rectangle net GND: 191.246,49.369 196.802,52.783
  rectangle net GND_POT: 0.428,68.737 12.096,80.405
  rectangle net GND_POT: 0.428,78.421 29.717,82.786
  rectangle net POWER_DC_LINK: 13.763,83.818 29.717,88.898
  rectangle net POWER_DC_LINK: 0.428,83.818 14.239,109.377
  rectangle net "VOLTA CARGA": 77.501,104.535 89.804,117.949
  rectangle net "VOLTA CARGA": 65.039,96.915 85.359,118.029
  rectangle net "SAIDA  NEGATIVA": 42.179,92.946 63.214,103.662
  rectangle net "SAIDA  NEGATIVA": 15.906,89.613 63.214,95.486
  rectangle net "SAIDA  POSITIVA": 23.526,106.043 57.261,118.108
  rectangle net "SAIDA  POSITIVA": 23.526,103.583 31.464,115.013
  rectangle net "SAIDA  POSITIVA": 15.827,98.026 31.464,104.694
  rectangle net +15V: 110.124,77.151 120.046,86.12
  rectangle net +15V: 176.164,80.008 186.086,86.358
  rectangle net +15V: 176.164,79.294 197.357,84.533
  rectangle net +15V: 192.039,61.673 197.357,80.326
  rectangle net +15V: 116.633,77.151 171.005,83.342
  rectangle net +15V: 163.941,64.689 171.005,81.199
  rectangle net +15V: 176.085,45.401 186.166,48.099
  rectangle net +15V: 191.404,53.179 196.326,56.989
  rectangle net +15V: 179.577,47.068 182.594,57.148
  rectangle net +15V: 179.577,53.179 187.594,57.228
  rectangle net +15V: 163.941,61.831 188.229,66.673
  rectangle net -15V: 176.085,39.368 186.166,41.67
  rectangle net -15V: 188.467,41.749 197.278,45.242
  rectangle net GND_POT: 2.174,46.829 6.064,50.719
  rectangle net GND_POT: 4.397,21.429 10.429,32.066
  rectangle net GND: 136.239,30.954 141.716,35.955
  rectangle net GND: 136.636,25.954 141.557,30.161
  pour cut-out: 150.447,84.453 150.447,108.901 148.542,108.901 148.542,84.374 154.812,78.103 154.812,80.088

## Silkscreen, mask and mechanical layers (free items; w line width, h text height)
Top Overlay:
  circle w0.254: c37,16 r3
  circle w0.254: c91,16 r3
  circle w0.254: c91,100 r3
  circle w0.254: c37,100 r3
Bottom Overlay:
  drawing of 1428 lines, arcs and shapes, not listed
  text "OUTPUT +" at 60.277,117.791 h4.5
  text "OUTPUT -" at 93.535,117.791 h4.5
  text "DC LINK" at 16.382,108.424 h4.5
  text "GND" at 10.588,79.849 h4.5
  text "ELP GROUP" at 162.671,78.857 h5
  text "BACKPLANE BOARD LOW POWER V1.0 08/2015" at 197.675,74.373 h5
  text "-15V" at 13.842,55.799 h2.5
  text "+15V" at 201.644,54.291 h2
  text "+5V" at 13.525,51.989 h2.5
  text "GND" at 201.247,50.607 h2
  text "GND" at 13.842,48.258 h2.5
  text "+5V" at 201.247,46.779 h2
  text "+15V" at 14.398,44.448 h2.5
  text "-15V" at 201.326,42.781 h2
  text "A.R.S./J.N.H.R." at 199.739,11.587 h3

## Text inside footprints (layer, text, board x,y; h text height)
CON1: Bottom Overlay "8" at 81.445,97.54 h1 r180; Bottom Overlay "7" at 76.365,97.54 h1 r180; Bottom Overlay "6" at 71.285,97.54 h1 r180; Bottom Overlay "1" at 46.06,97.54 h1 r180; Bottom Overlay "2" at 50.965,97.54 h1 r180; Bottom Overlay "3" at 56.045,97.54 h1 r180; Bottom Overlay "4" at 61.125,97.54 h1 r180; Bottom Overlay "5" at 66.205,97.54 h1 r180; Mechanical 14 "8" at 81.445,97.54 h1 r180; Mechanical 14 "7" at 76.365,97.54 h1 r180; Mechanical 14 "6" at 71.285,97.54 h1 r180; Mechanical 14 "1" at 46.06,97.54 h1 r180; Mechanical 14 "2" at 50.965,97.54 h1 r180; Mechanical 14 "3" at 56.045,97.54 h1 r180; Mechanical 14 "4" at 61.125,97.54 h1 r180; Mechanical 14 "5" at 66.205,97.54 h1 r180
CON4: Bottom Overlay "8" at 81.445,12.54 h1 r180; Bottom Overlay "7" at 76.365,12.54 h1 r180; Bottom Overlay "6" at 71.285,12.54 h1 r180; Bottom Overlay "1" at 46.06,12.54 h1 r180; Bottom Overlay "2" at 50.965,12.54 h1 r180; Bottom Overlay "3" at 56.045,12.54 h1 r180; Bottom Overlay "4" at 61.125,12.54 h1 r180; Bottom Overlay "5" at 66.205,12.54 h1 r180; Mechanical 14 "8" at 81.445,12.54 h1 r180; Mechanical 14 "7" at 76.365,12.54 h1 r180; Mechanical 14 "6" at 71.285,12.54 h1 r180; Mechanical 14 "1" at 46.06,12.54 h1 r180; Mechanical 14 "2" at 50.965,12.54 h1 r180; Mechanical 14 "3" at 56.045,12.54 h1 r180; Mechanical 14 "4" at 61.125,12.54 h1 r180; Mechanical 14 "5" at 66.205,12.54 h1 r180
CON8: Top Overlay "11" at 171.449,84.914 h1.2; Top Overlay "1" at 172.404,105.426 h1.2
CON9: Top Overlay "11" at 171.449,25.913 h1.2; Top Overlay "1" at 172.404,46.426 h1.2
CON10: Top Overlay "11" at 105.438,84.884 h1.2; Top Overlay "1" at 106.392,105.397 h1.2
CON11: Top Overlay "25" at 104.995,23.858 h1.2; Top Overlay "1" at 106.392,72.118 h1.2
DB1: Bottom Overlay "9" at 139.59,67.045 h1.2 r180; Bottom Overlay "6" at 151.585,67.045 h1.2 r180; Bottom Overlay "5" at 138.52,64.105 h1.2 r180; Bottom Overlay "1" at 152.855,64.18 h1.2 r180; Mechanical 14 "1" at 154.85,64 h1.2 r180; Mechanical 14 "5" at 136.475,64 h1.2 r180; Mechanical 14 "6" at 154.525,67.05 h1.2 r180; Mechanical 14 "9" at 136.5,67.025 h1.2 r180; Mechanical 14 "9 D-Sub Female" at 139.822,60.528 h1.2 r180
P1: Top Overlay "2" at 12.689,102.33 h1.5 r270; Top Overlay "a" at 17.149,104.04 h1.5 r270; Top Overlay "c" at 22.229,104.04 h1.5 r270; Top Overlay "e" at 27.309,104.04 h1.5 r270; Top Overlay "32" at 12.689,26.88 h1.5 r270; Top Overlay "12" at 12.689,77.43 h1.5 r270; Top Overlay "22" at 12.689,52.28 h1.5 r270